# Altium PCB SENSEI_Sensor-Shield.PcbDoc (part 1 of 2) (continued)
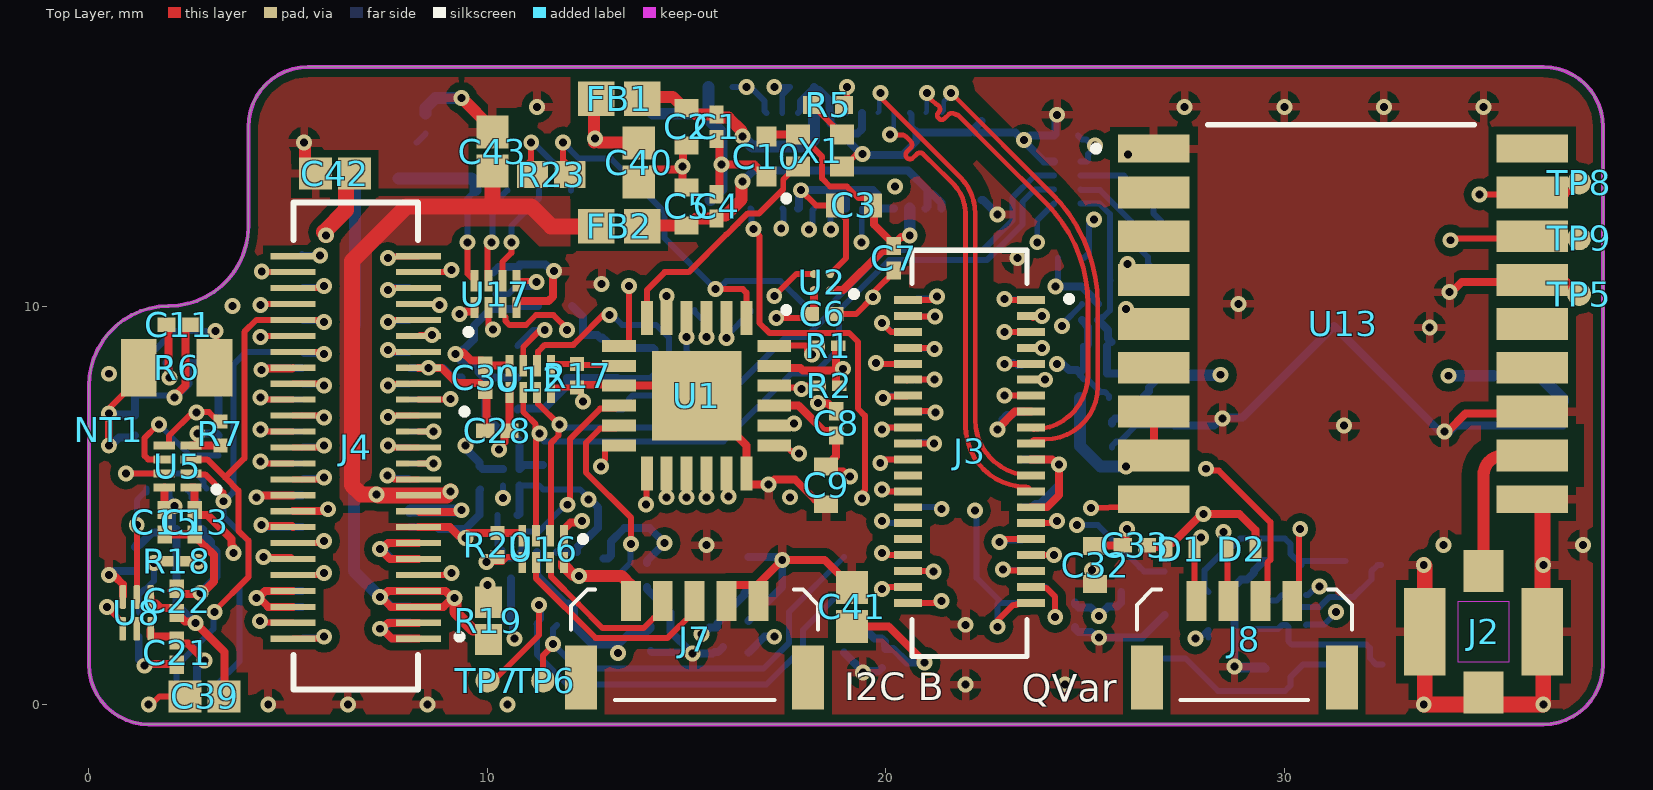
[diagram p0: Top Layer view]
## Components (designator, comment, footprint, x,y, rotation, side; value= is the part's Value field where it differs from the comment)
B1 "SGP41-D-R4" SON80P244X244X95-7N 12,8.2 r180 bottom locked
C1 "GRM033Z71C104KE14D" FP-GRM033-0_03-IPC_B#1 15.75,14.5 r270 top locked
C2 "GRM155R60G106ME47D" FP-GRM155-0_2-0_1-MFG 15,14.5 r270 top locked
C3 "GRM155R60G106ME47D" FP-GRM155-0_2-0_1-MFG 19.2,12.525 r180 top locked
C4 "GRM033Z71C104KE14D" FP-GRM033-0_03-IPC_B#1 15.75,12.5 r90 top locked
C5 "GRM155R60G106ME47D" FP-GRM155-0_2-0_1-MFG 15,12.5 r90 top locked
C6 "CL03A105KP3NSNC" FP-CL03-IPC_B#1 18.4,9.8 r0 top locked
C7 "GRM033Z71C104KE14D" FP-GRM033-0_03-IPC_B#1 20.2,11.2 r270 top locked
C8 "GRM033Z71C104KE14D" FP-GRM033-0_03-IPC_B#1 18.75,7.054 r90 top locked
C9 "GRM155R60G106ME47D" FP-GRM155-0_2-0_1-MFG 18.5,5.5 r270 top locked
C10 "CC0402KRX7R7BB103" FP-CC0402-MFG 17,13.75 r270 top locked value="10 nF"
C11 "GRM033Z71C104KE14D" FP-GRM033-0_03-IPC_B#1 2.25,9.525 r0 top locked
C12 "GRM033Z71C104KE14D" FP-GRM033-0_03-IPC_B#1 24.75,2.25 r270 bottom locked
C13 "GRM033Z71C104KE14D" FP-GRM033-0_03-IPC_B#1 2.65,4.575 r270 top locked
C14 "GRM033Z71C104KE14D" FP-GRM033-0_03-IPC_B#1 2.5,4.4 r0 bottom locked
C15 "GRM033Z71C104KE14D" FP-GRM033-0_03-IPC_B#1 1.9,4.575 r270 top locked
C16 "GRM033Z71C104KE14D" FP-GRM033-0_03-IPC_B#1 19.9,1.225 r270 bottom locked
C17 "GRM033Z71C104KE14D" FP-GRM033-0_03-IPC_B#1 15.85,1.75 r270 bottom locked
C18 "GRM033Z71C104KE14D" FP-GRM033-0_03-IPC_B#1 14,3.25 r270 bottom locked
C19 "GRM033Z71C104KE14D" FP-GRM033-0_03-IPC_B#1 14.1,1.65 r270 bottom locked
C20 "GRM033R71A103JA01D" FP-GRM033-0_03-IPC_A 29.25,2.25 r270 bottom locked
C21 "GRM033Z71C104KE14D" FP-GRM033-0_03-IPC_B#1 2.2,1.3 r270 top locked
C22 "GRM033Z71C104KE14D" FP-GRM033-0_03-IPC_B#1 2.2,2.6 r90 top locked
C23 "CL03A105KP3NSNC" FP-CL03-IPC_B#1 24.625,11.2 r0 bottom locked
C24 "CL03A105KP3NSNC" FP-CL03-IPC_B#1 9.8,5.725 r270 bottom locked
C25 "GRM033Z71C104KE14D" FP-GRM033-0_03-IPC_B#1 25.35,9 r180 bottom locked
C26 "GRM033Z71C104KE14D" FP-GRM033-0_03-IPC_B#2 11.4,5.7 r270 bottom locked
C27 "GRM033Z71C104KE14D" FP-GRM033-0_03-IPC_B#1 24.875,8 r90 bottom locked
C28 "GRM033Z71C104KE14D" FP-GRM033-0_03-IPC_B#2 10.25,6.875 r180 top locked
C29 "GRM033Z71C104KE14D" FP-GRM033-0_03-IPC_B#1 25.6,8 r270 bottom locked
C30 "GRM033Z71C104KE14D" FP-GRM033-0_03-IPC_B#1 9.95,8.2 r270 top locked
C31 "CL03A105KP3NSNC" FP-CL03-IPC_B#1 14.2,8.6 r270 bottom locked
C32 "GRM155R60G106ME47D" FP-GRM155-0_2-0_1-MFG 25.25,3.5 r270 top locked
C33 "GRM033Z71C104KE14D" FP-GRM033-0_03-IPC_B#1 26.25,4 r0 top locked
C34 "CL03A105KP3NSNC" FP-CL03-IPC_B#2 9.652,8.204 r180 bottom locked
C35 "GRM033Z71C104KE14D" FP-GRM033-0_03-IPC_B#1 1.15,3.65 r270 bottom locked
C36 "GRM033Z71C104KE14D" FP-GRM033-0_03-IPC_B#1 1.25,2 r270 bottom locked
C37 "GRM033Z71C104KE14D" FP-GRM033-0_03-IPC_B#2 25.675,6.75 r270 bottom locked
C38 "GRM033Z71C104KE14D" FP-GRM033-0_03-IPC_B#2 37,7.304 r270 bottom locked
C39 "GRM158R60J226ME01D" FP-GRM158-0_2-IPC_A 2.9,0.2 r180 top locked
C40 "GRM158R60J226ME01D" FP-GRM158-0_2-IPC_A 13.8,13.6 r270 top locked
C41 "GRM158R60J226ME01D" FP-GRM158-0_2-IPC_A 19.15,2.45 r90 top locked
C42 "GRM158R60J226ME01D" FP-GRM158-0_2-IPC_A 6.175,13.325 r180 top locked
C43 "GRM158R60J226ME01D" FP-GRM158-0_2-IPC_A 10.125,13.875 r90 top
D1 "TPD1E01B04DPYRQ1" TPD1E01B04DPYRQ1 27.4,3.9 r180 top locked
D2 "TPD1E01B04DPYRQ1" TPD1E01B04DPYRQ1 28.925,3.9 r0 top locked
FB1 "BLM18HE152SN1D" FP-BLM18-0_15-t0_8-IPC_C 13.309,15.201 r180 top locked
FB2 "BLM18HE152SN1D" FP-BLM18-0_15-t0_8-IPC_C 13.309,12.001 r180 top locked
J1 "Connector: AXE526124" AXE526124_HM0360 19,13.65 r0 bottom locked
J2 "CONMHF1-SMD-G-T" LINX_CONMHF1-SMD-G-T 35,1.825 r0 top locked
J3 "DF40HC(3.0)-40DS-0.4V(51)" DF40HC3040DS04V51 22.1,6.35 r270 top locked
J4 "DF40HC(3.0)-50DS-0.4V(51)" DF40HC3050DS04V51 6.7,6.45 r90 top locked
J5 "DF40C-40DP-0.4V(51)" FP-DF40C-40DP-0_4V_51-MFG 22.1,6.35 r270 bottom locked
J6 "DF40C-50DP-0.4V(51)" CONN_COMBI_50P 6.7,6.45 r0 bottom locked
J7 "DF52-5S-0.8H(21)" DF525S08H21 15.2,1.5 r0 top locked
J8 "DF52-4S-0.8H(21)" DF524S08H21 29,1.5 r0 top
J9 "DF52-5S-0.8H(21)" DF525S08H21 11.3,14 r0 bottom locked
NT1 "Net Tie" Net_Tie_Top_Bottom0_4mm_0_2mm 0.5,7 r270 top locked net-tie
R1 "RMCF0201FT10K0" FP-RMCF0201-IPC_C 18.55,9 r180 top locked
R2 "RMCF0201FT10K0" FP-RMCF0201-IPC_C 18.575,8 r180 top locked
R3 "1M 5% 0201(0603)" RESC0201(0603)_L 15.85,15.5 r0 bottom locked value=1M
R4 "1M 5% 0201(0603)" RESC0201(0603)_L 17.9,15.5 r180 bottom locked value=1M
R5 "ERJ-2RKF1000X" RESC1005X40X25LL05T05 18.55,15.05 r180 top locked
R6 "MCU0805MD3304BP500" RESC2012X62N 2.2,8.45 r0 top locked
R7 "1M 5% 0201(0603)" RESC0201(0603)_L 3.3,6.8 r90 top locked value=1M
R8 "RMCF0201FT10K0" FP-RMCF0201-IPC_C 10.504,4.75 r0 bottom locked
R9 "RMCF0402ZT0R00" FP-RMCF0402-IPC_A 32,3.6 r180 bottom locked
R10 "ERJ-1GNF4990C" RESC0603X26X15LL03T05 30.275,2.75 r180 bottom locked
R11 "ERJ-1GNF4990C" RESC0603X26X15LL03T05 30.275,2 r180 bottom locked
R12 "RMCF0402ZT0R00" FP-RMCF0402-IPC_A 32,0.9 r180 bottom locked
R13 "RMCF0402ZT0R00" FP-RMCF0402-IPC_A 30,3.6 r0 bottom locked
R14 "RMCF0402ZT0R00" FP-RMCF0402-IPC_A 30,0.9 r0 bottom locked
R15 "CRCW04024R70FKED" FP-CRCW0402-e3-MFG 11.8,10 r180 bottom locked
R16 "1M 5% 0201(0603)" RESC0201(0603)_L 24.525,14.275 r180 bottom locked value=1M
R17 "1M 5% 0201(0603)" RESC0201(0603)_L 12.25,8.25 r270 top locked value=1M
R18 "RMCF0201FT10K0" FP-RMCF0201-IPC_C 2.2,3.6 r0 top locked
R19 "RMCF0402ZT0R00" FP-RMCF0402-IPC_A 10.025,2.1 r90 top locked
R20 "ERJ-1GNJ105C" RESC0201(0603)_L 10.25,4 r90 top locked value=1M
R21 "RMCF0402ZT0R00" FP-RMCF0402-IPC_A 7.1,13.2 r0 bottom
R22 "ERJ-1GNJ105C" RESC0201(0603)_L 10.2,10.6 r90 bottom locked value=1M
R23 "RMCF0402ZT0R00" FP-RMCF0402-IPC_A 11.6,13.3 r0 top locked
TP1 "Test Pad" Pad-0.6mm 18,9.9 r90 bottom locked
TP2 "Test Pad" Pad-0.6mm 16.6,9.9 r90 bottom locked
TP3 "Test Pad" Pad-0.6mm 15.2,9.9 r90 bottom locked
TP4 "Test Pad" Pad-0.6mm 15.25,8.5 r90 bottom locked
TP5 "Test Pad" Pad-0.6mm 37.4,10.3 r90 top locked
TP6 "Test Pad" Pad-0.6mm 11.4,0.6 r90 top locked
TP7 "Test Pad" Pad-0.6mm 10,0.6 r90 top locked
TP8 "Test Pad" Pad-0.6mm 37.4,13.1 r90 top locked
TP9 "Test Pad" Pad-0.6mm 37.4,11.7 r90 top locked
U1 "PCA6416AHF,128" QFN50P400X400X80-25N-D 15.25,7.75 r270 top locked
U2 "TPS22916BYFPT" BGA4C40P2X2_77X77X50 18.4,10.6 r180 top locked
U3 "ILPS28QSW" LGA7_ILPS28_STM 27,2.25 r180 bottom locked
U4 "AS7331-AQFT" OLGA16 2.2,7 r270 bottom locked
U5 "TXS0102DQER" FP-DQE0008A-MFG 2.225,5.975 r180 top locked
U6 "BME688" IC_BME688 17.75,2.5 r0 bottom locked
U7 "ISM330DHCXTR" FP-LGA-14L-DM00249496-MFG 11.75,2.913 r0 bottom locked
U8 "SN74AUP1T34DSFR" FP-DSF0006A-MFG 1.2,2.3 r270 top locked
U9 "TPS22916BYFPT" BGA4C40P2X2_77X77X50 25.125,9.85 r90 bottom locked
U10 "TPS22916BYFPT" BGA4C40P2X2_77X77X50 10.6,5.7 r180 bottom locked
U11 "TXS0102DQER" FP-DQE0008A-MFG 24.55,13.1 r0 bottom locked
U12 "TXS0102DQER" FP-DQE0008A-MFG 11.075,8.165 r90 top locked
U13 "MAX-M10S-00B" XCVR_MAX-M8C-0-10 31.475,9.55 r0 top locked
U14 "BH1730FVC-TR" SON_30FVC-TR_ROM 2.7,2.125 r270 bottom locked
U15 "SCD41-D-R1" FP-SCD41-D-R1-MFG 31.25,9.5 r90 bottom locked
U16 "TXS0102DQER" FP-DQE0008A-MFG 11.4,3.9 r270 top locked
U17 "TXS0102DQER" FP-DQE0008A-MFG 10.2,10.3 r90 top locked
X1 "ASCODV-24.000MHz-LR-T3" ASCODV24000MHzLRT3 18.35,13.9 r0 top locked

## Footprints (in the part's own frame and the unit in brackets; to place one, negate y for a bottom-side part, rotate by r counter-clockwise, add the part's x,y. Pads: shape width x height; smd on the part's side, far side on the other; paste and mask are expansions set on the pad)
ASCODV24000MHzLRT3 [mm]
  rect 0.6x0.5 smd: 1(-0.55,-0.4) 2(0.55,-0.4) 3(0.55,0.4) 4(-0.55,0.4)
  silkscreen extent -0.9,-1.25 -0.8,-1.15, body extent -0.8,-0.6 0.8,0.6, height 0.9
AXE526124_HM0360 [mm]
  rect 0.23x0.5 smd: 1(-2.4,-1.2) 2(-2,-1.2) 3(-1.6,-1.2) 4(-1.2,-1.2) 5(-0.8,-1.2) 6(-0.4,-1.2) 7(0,-1.2) 8(0.4,-1.2) 9(0.8,-1.2) 10(1.2,-1.2) 11(1.6,-1.2) 12(2,-1.2) 13(2.4,-1.2) 14(2.4,1.2) 15(2,1.2) 16(1.6,1.2) 17(1.2,1.2) 18(0.8,1.2) 19(0.4,1.2) 20(0,1.2) 21(-0.4,1.2) 22(-0.8,1.2) 23(-1.2,1.2) 24(-1.6,1.2) 25(-2,1.2) 26(-2.4,1.2)
  rect 0.9x0.92 smd: 27(-3.4,0.99) 28(-3.4,-0.99) 29(3.4,0.99) 30(3.4,-0.99)
  silkscreen extent -2.4,-1.96 -2.25,-1.84, body extent -3.85,-1.43 3.85,1.43, height 1.07
BGA4C40P2X2_77X77X50 [mil]
  round 8 smd paste-5 mask+0.79: A1(-8,8) A2(8,8) B1(-8,-8) B2(8,-8)
  silkscreen extent -33,10 -30,14, body extent -15,-15 15,15, height 20
CONN_COMBI_50P [mm] "50Pin 0.4mm pitch connector footprint that accepts (male) connectors intended for different stacking heights:  Hirose - DF40C-50DP-0.4V(51) for 1.5mm - 3mm stacking height , JAE - WP7B-P050VA1-R8000 - for 0.7mm stacking height"
  rect 0.66x0.22 smd: 1(1.355,4.8) 2(1.355,4.4) 3(1.355,4) 4(1.355,3.6) 5(1.355,3.2) 6(1.355,2.8) 7(1.355,2.4) 8(1.355,2) 9(1.355,1.6) 10(1.355,1.2) 11(1.355,0.8) 12(1.355,0.4) 13(1.355,0) 14(1.355,-0.4) 15(1.355,-0.8) 16(1.355,-1.2) 17(1.355,-1.6) 18(1.355,-2) 19(1.355,-2.4) 20(1.355,-2.8) 21(1.355,-3.2) 22(1.355,-3.6) 23(1.355,-4) 24(1.355,-4.4) 25(1.355,-4.8) 26(-1.355,-4.8) 27(-1.355,-4.4) 28(-1.355,-4) 29(-1.355,-3.6) 30(-1.355,-3.2) 31(-1.355,-2.8) 32(-1.355,-2.4) 33(-1.355,-2) 34(-1.355,-1.6) 35(-1.355,-1.2) 36(-1.355,-0.8) 37(-1.355,-0.4) 38(-1.355,0) 39(-1.355,0.4) 40(-1.355,0.8) 41(-1.355,1.2) 42(-1.355,1.6) 43(-1.355,2) 44(-1.355,2.4) 45(-1.355,2.8) 46(-1.355,3.2) 47(-1.355,3.6) 48(-1.355,4) 49(-1.355,4.4) 50(-1.355,4.8)
  rect 0.65x0.35 smd: 56(-1.375,-5.275) 56(-1.375,5.275) 56(1.325,-5.275) 56(1.325,5.275)
  body extent -1.49,-5.74 1.48,5.78, height 1.14
DF40HC3040DS04V51 [mm]
  rect 0.2x0.7 smd: 1(-3.8,1.54) 2(-3.8,-1.54) 3(-3.4,1.54) 4(-3.4,-1.54) 5(-3,1.54) 6(-3,-1.54) 7(-2.6,1.54) 8(-2.6,-1.54) 9(-2.2,1.54) 10(-2.2,-1.54) 11(-1.8,1.54) 12(-1.8,-1.54) 13(-1.4,1.54) 14(-1.4,-1.54) 15(-1,1.54) 16(-1,-1.54) 17(-0.6,1.54) 18(-0.6,-1.54) 19(-0.2,1.54) 20(-0.2,-1.54) 21(0.2,1.54) 22(0.2,-1.54) 23(0.6,1.54) 24(0.6,-1.54) 25(1,1.54) 26(1,-1.54) 27(1.4,1.54) 28(1.4,-1.54) 29(1.8,1.54) 30(1.8,-1.54) 31(2.2,1.54) 32(2.2,-1.54) 33(2.6,1.54) 34(2.6,-1.54) 35(3,1.54) 36(3,-1.54) 37(3.4,1.54) 38(3.4,-1.54) 39(3.8,1.54) 40(3.8,-1.54)
  silkscreen extent -5.05,-1.44 5.15,2.55, body extent -5.3,-1.69 5.3,1.69, height 2.89
DF40HC3050DS04V51 [mil]
  rect 6x44.56 smd paste+0 mask+0: 1(-188.98,-62) 2(-173.23,-62) 3(-157.48,-62) 4(-141.73,-62) 5(-125.98,-62) 6(-110.24,-62) 7(-94.49,-62) 8(-78.74,-62) 9(-62.99,-62) 10(-47.24,-62) 11(-31.5,-62) 12(-15.75,-62) 13(0,-62) 14(15.75,-62) 15(31.5,-62) 16(47.24,-62) 17(62.99,-62) 18(78.74,-62) 19(94.49,-62) 20(110.24,-62) 21(125.98,-62) 22(141.73,-62) 23(157.48,-62) 24(173.23,-62) 25(188.98,-62) 26(188.98,62) 27(173.23,62) 28(157.48,62) 29(141.73,62) 30(125.98,62) 31(110.24,62) 32(94.49,62) 33(78.74,62) 34(62.99,62) 35(47.24,62) 36(31.5,62) 37(15.75,62) 38(0,62) 39(-15.75,62) 40(-31.5,62) 41(-47.24,62) 42(-62.99,62) 43(-78.74,62) 44(-94.49,62) 45(-110.24,62) 46(-125.98,62) 47(-141.73,62) 48(-157.48,62) 49(-173.23,62) 50(-188.98,62)
  silkscreen extent -239,-104 242,62, body extent -248,-67 248,67, height 114
DF524S08H21 [mm]
  rect 0.5x1 smd: 1(-1.2,1.095) 2(-0.4,1.095) 3(0.4,1.095) 4(1.2,1.095)
  rect 0.8x1.6 smd: MP1(-2.45,-0.825) MP2(2.45,-0.825)
  silkscreen extent -2.7,-1.39 2.7,1.39, body extent -2.7,-1.39 2.7,1.38, height 1.75
DF525S08H21 [mm]
  rect 0.5x1 smd: 1(-1.6,1.095) 2(-0.8,1.095) 3(0,1.095) 4(0.8,1.095) 5(1.6,1.095)
  rect 0.8x1.6 smd: MP1(-2.85,-0.825) MP2(2.85,-0.825)
  silkscreen extent -3.1,-1.39 3.1,1.39, body extent -3.1,-1.4 3.1,1.37, height 1.71
FP-BLM18-0_15-t0_8-IPC_C [mm]
  rect 0.906x0.858 smd paste+0 mask+0: 1(-0.576,0) 2(0.576,0)
  body extent -0.8,-0.4 0.8,0.4, height 0.95
FP-CC0402-MFG [mm]
  rect 0.5x0.5 smd paste+0 mask+0: 1(-0.5,0) 2(0.5,0)
  body extent -0.5,-0.25 0.5,0.25, height 0.55
FP-CL03-IPC_B#1 [mm]
  rect 0.454x0.363 smd paste+0 mask+0: 1(-0.304,0) 2(0.304,0)
  body extent -0.3,-0.15 0.3,0.15, height 0.33
FP-CL03-IPC_B#2 [mm]
  rect 0.454x0.363 smd: 1(-0.304,0) 2(0.304,0)
  body extent -0.3,-0.15 0.3,0.15, height 0.33
FP-CRCW0402-e3-MFG [mm]
  rect 0.6x0.6 smd paste+0 mask+0: 1(-0.525,0) 2(0.525,0)
  body extent -0.5,-0.25 0.5,0.25, height 0.4
FP-DF40C-40DP-0_4V_51-MFG [mm]
  rect 0.23x0.66 smd paste-1000 mask+0: 1(-3.8,-1.355) 2(-3.8,1.355) 3(-3.4,-1.355) 4(-3.4,1.355) 5(-3,-1.355) 6(-3,1.355) 7(-2.6,-1.355) 8(-2.6,1.355) 9(-2.2,-1.355) 10(-2.2,1.355) 11(-1.8,-1.355) 12(-1.8,1.355) 13(-1.4,-1.355) 14(-1.4,1.355) 15(-1,-1.355) 16(-1,1.355) 17(-0.6,-1.355) 18(-0.6,1.355) 19(-0.2,-1.355) 20(-0.2,1.355) 21(0.2,-1.355) 22(0.2,1.355) 23(0.6,-1.355) 24(0.6,1.355) 25(1,-1.355) 26(1,1.355) 27(1.4,-1.355) 28(1.4,1.355) 29(1.8,-1.355) 30(1.8,1.355) 31(2.2,-1.355) 32(2.2,1.355) 33(2.6,-1.355) 34(2.6,1.355) 35(3,-1.355) 36(3,1.355) 37(3.4,-1.355) 38(3.4,1.355) 39(3.8,-1.355) 40(3.8,1.355)
  rect 0.35x0.66 smd paste+0 mask+0: 41(-4.275,1.355) 42(4.275,1.355) 43(-4.275,-1.355) 44(4.275,-1.355)
  silkscreen extent -4.86,-2.15 4.86,1.02, body extent -4.76,-1.49 4.76,1.48, height 1.29
FP-DQE0008A-MFG [mm]
  rect 0.53x0.2 smd paste-1000 mask+0: 1(-0.335,0.525) 2(-0.335,0.175) 3(-0.335,-0.175) 4(-0.335,-0.525) 5(0.335,-0.525) 6(0.335,-0.175) 7(0.335,0.175) 8(0.335,0.525)
  silkscreen extent -1.03,0.53 -0.93,0.62, body extent -0.52,-0.7 0.5,0.7, height 0.4
FP-DSF0006A-MFG [mm]
  rrect59% 0.6x0.17 smd paste+0 mask+0: 1(-0.4,0.35) 2(-0.4,0) 3(-0.4,-0.35) 4(0.4,-0.35) 5(0.4,0) 6(0.4,0.35)
  body extent -0.8,-0.63 0.8,0.63, height 0.25
FP-GRM033-0_03-IPC_A [mm]
  rect 0.554x0.463 smd paste+0 mask+0: 1(-0.354,0) 2(0.354,0)
  body extent -0.3,-0.15 0.3,0.15, height 0.33
FP-GRM033-0_03-IPC_B#1 [mm]
  rect 0.454x0.363 smd paste+0 mask+0: 1(-0.304,0) 2(0.304,0)
  body extent -0.3,-0.15 0.3,0.15, height 0.33
FP-GRM033-0_03-IPC_B#2 [mm]
  rect 0.454x0.363 smd: 1(-0.304,0) 2(0.304,0)
  body extent -0.3,-0.15 0.3,0.15, height 0.33
FP-GRM155-0_2-0_1-MFG [mm]
  rect 0.45x0.6 smd paste+0 mask+0: 1(-0.475,0) 2(0.475,0)
  body extent -0.5,-0.25 0.5,0.25, height 0.5
FP-GRM158-0_2-IPC_A [mm]
  rect 0.828x0.806 smd paste+0 mask+0: 1(-0.489,0) 2(0.489,0)
  body extent -0.5,-0.25 0.5,0.25, height 0.8
FP-LGA-14L-DM00249496-MFG [mm]
  rect 0.575x0.35 smd paste-1000 mask+0: 1(-1.162,0.75) 2(-1.162,0.25) 3(-1.162,-0.25) 4(-1.162,-0.75) 8(1.162,-0.75) 9(1.162,-0.25) 10(1.162,0.25) 11(1.162,0.75)
  rect 0.35x0.575 smd paste-1000 mask+0: 5(-0.5,-0.913) 6(0,-0.913) 7(0.5,-0.913) 12(0.5,0.913) 13(0,0.913) 14(-0.5,0.913)
  silkscreen extent -1.35,1.56 -1.25,1.66, body extent -1.5,-1.25 1.5,1.25, height 0.86
FP-RMCF0201-IPC_C [mm]
  rect 0.354x0.263 smd paste+0 mask+0: 1(-0.254,0) 2(0.254,0)
  body extent -0.3,-0.15 0.3,0.15, height 0.26
FP-RMCF0402-IPC_A [mm]
  rect 0.781x0.672 smd paste+0 mask+0: 1(-0.466,0) 2(0.466,0)
  body extent -0.5,-0.25 0.5,0.25, height 0.4
FP-SCD41-D-R1-MFG [mm]
  rect 1.5x0.8 smd paste-1000 mask+0: 1(-4,2.5) 2(-4,1.25) 3(-4,0) 4(-4,-1.25) 5(-4,-2.5) 11(4,-2.5) 12(4,-1.25) 13(4,0) 14(4,1.25) 15(4,2.5)
  rect 0.8x1.5 smd paste-1000 mask+0: 6(-2.5,-4) 7(-1.25,-4) 8(0,-4) 9(1.25,-4) 10(2.5,-4) 16(2.5,4) 17(1.25,4) 18(0,4) 19(-1.25,4) 20(-2.5,4)
  rect 4.8x4.8 smd paste-1000 mask+0: 21(0,0)
  silkscreen extent -5.1,-5.05 5.1,5.83, body extent -5.05,-5.05 5.05,5.05, height 6.8
IC_BME688 [mm]
  rect 0.4x0.4 smd: 1(1.2,1.2) 2(1.2,0.4) 3(1.2,-0.4) 4(1.2,-1.2) 5(-1.2,-1.2) 6(-1.2,-0.4) 7(-1.2,0.4) 8(-1.2,1.2)
  silkscreen extent -1.5,-1.72 1.7,2.15, body extent -1.5,-1.5 1.5,1.5, height 1
LGA7_ILPS28_STM [mil]
  rect 57x16 smd paste+0 mask+0: 1(0,43) 4(0,-43)
  rect 16x37 smd paste+0 mask+0: 2(-43,22.64) 3(-43,-22.64) 5(43,-22.64) 6(43,22.64)
  rect 37x37 smd paste-18 mask+0: 7(0,0)
  body extent -55,-55 55,55, height 83
LINX_CONMHF1-SMD-G-T [mm]
  rect 1x1.05 smd: 1(0,1.525) S2(0,-1.525)
  rect 1.05x2.2 smd: S1(-1.475,0) S3(1.475,0)
  Keep-Out Layer region: 0.635,-0.762 -0.635,-0.762 -0.635,0.762 0.635,0.762
  body extent -1.5,-1.55 1.5,1.55, height 1.31
Net_Tie_Top_Bottom0_4mm_0_2mm [mm]
  round 0.4 hole 0.2 mask+0: 1(-0.3,0) 2(0.5,0)
  Multi-Layer region: -0.2,-0.1 0.35,-0.1 0.35,0.1 -0.2,0.1
OLGA16 [mm]
  rect 0.3x0.3 smd paste+0 mask+0: 1(-1.575,-0.75) 2(-1.575,-0.25) 3(-1.575,0.25) 4(-1.575,0.75) 5(-0.75,1.05) 6(-0.25,1.05) 7(0.25,1.05) 8(0.75,1.05) 9(1.575,0.75) 10(1.575,0.25) 11(1.575,-0.25) 12(1.575,-0.75) 13(0.75,-1.05) 14(0.25,-1.05) 15(-0.25,-1.05) 16(-0.75,-1.05)
  silkscreen extent -2.25,-1.48 2,1.48, body extent -1.82,-1.3 1.83,1.3, height 1.19
Pad-0.6mm [mm] "SMT Test Pad"
  round 0.6 smd paste-5: 1(0,0)
QFN50P400X400X80-25N-D [mm]
  rect 0.85x0.3 smd: 1(-1.95,1.25) 2(-1.95,0.75) 3(-1.95,0.25) 4(-1.95,-0.25) 5(-1.95,-0.75) 6(-1.95,-1.25) 13(1.95,-1.25) 14(1.95,-0.75) 15(1.95,-0.25) 16(1.95,0.25) 17(1.95,0.75) 18(1.95,1.25)
  rect 0.3x0.85 smd: 7(-1.25,-1.95) 8(-0.75,-1.95) 9(-0.25,-1.95) 10(0.25,-1.95) 11(0.75,-1.95) 12(1.25,-1.95) 19(1.25,1.95) 20(0.75,1.95) 21(0.25,1.95) 22(-0.25,1.95) 23(-0.75,1.95) 24(-1.25,1.95)
  rect 2.25x2.25 smd: 25(0,0)
  silkscreen extent -2.2,2.2 -2.1,2.3, body extent -2.05,-2.05 2.05,2.05, height 0.8
RESC0201(0603)_L [mm] "Chip Resistor, Body 0.6x0.3mm, IPC High Density"
  rect 0.35x0.35 smd: 1(-0.3,0) 2(0.3,0)
  body extent -0.31,-0.16 0.31,0.16, height 0.3
RESC0603X26X15LL03T05 [mm] "Chip Resistor, 2-Leads, Body 0.60x0.30mm, IPC High Density"
  rect 0.35x0.25 smd: 1(-0.275,0) 2(0.275,0)
  body extent -0.32,-0.16 0.31,0.17, height 0.26
RESC1005X40X25LL05T05 [mm] "Chip Resistor, 2-Leads, Body 1.05x0.55mm, IPC High Density"
  rect 0.45x0.45 smd: 1(-0.4,0) 2(0.4,0)
  body extent -0.52,-0.27 0.53,0.28, height 0.4
RESC2012X62N [mm]
  rect 0.9x1.45 smd: 1(-0.95,0) 2(0.95,0)
  body extent -1,-0.62 1,0.63, height 0.62
SON80P244X244X95-7N [mm]
  rect 0.75x0.45 smd: 1(-1.25,0.8) 2(-1.25,0) 3(-1.25,-0.8) 4(1.25,-0.8) 5(1.25,0) 6(1.25,0.8)
  rect 1.35x1.74 smd: 7(0,0)
  silkscreen extent -1.68,1.48 -1.58,1.57, body extent -1.27,-1.22 1.27,1.22, height 0.95
SON_30FVC-TR_ROM [mil]
  rect 20x9 smd paste+0 mask+0: 1(-63,19.69) 2(-63,0) 3(-63,-19.69) 4(63,-19.69) 5(63,0) 6(63,19.69)
  body extent -61,-34 61,34, height 30
TPD1E01B04DPYRQ1 [mm]
  rect 0.3x0.5 smd: 1(-0.35,0) 2(0.35,0)
  body extent -0.5,-0.3 0.5,0.3, height 0.55
XCVR_MAX-M8C-0-10 [mm]
  rect 1.8x0.7 smd paste-2 mask+0: 1(-4.75,4.4) 9(-4.75,-4.4) 10(4.75,-4.4) 18(4.75,4.4)
  rect 1.8x0.8 smd paste-2 mask+0: 2(-4.75,3.3) 3(-4.75,2.2) 4(-4.75,1.1) 5(-4.75,0) 6(-4.75,-1.1) 7(-4.75,-2.2) 8(-4.75,-3.3) 11(4.75,-3.3) 12(4.75,-2.2) 13(4.75,-1.1) 14(4.75,0) 15(4.75,1.1) 16(4.75,2.2) 17(4.75,3.3)
  silkscreen extent -6.25,4.35 3.3,5, body extent -4.85,-5.05 4.85,5.05, height 2.7

## Part data
B1: "Air Quality Sensors VOC and NOx (MOX) Gas Pollutant Sensor", Manufacturer_Name=Sensirion, Mouser Part Number=403-SGP41-D-R4, Datasheet Link=https://www.sensirion.com/fileadmin/user_upload/customers/sensirion/Dokumente/9_Gas_Sensors/Datasheets/Sensirion_Gas_Sensors_Datasheet_SGP41.pdf, Geometry.Height=0.95mm, Manufacturer_Part_Number=SGP41-D-R4, Mouser Price/Stock=https://www.mouser.co.uk/ProductDetail/Sensirion/SGP41-D-R4?qs=A6eO%252BMLsxmRqwfOE5NYPVA%3D%3D
C1 C4 C7 C8 C11 C12 C13 C14 C15 C16 C17 C18 C19 C21 C22 C25 C26 C27 C28 C29 C30 C33 C35 C36 C37 C38: library part CMP-06035-035508-1, "Chip Multilayer Ceramic Capacitors for General Purpose, 0201, 0.10uF, X7R, 15%, 10%, 16V", Capacitance=0.1uF, Case/Package=0201, Tolerance=15%
C2 C3 C5 C9 C32: library part CMP-06035-039936-1, "Chip Multilayer Ceramic Capacitors for General Purpose, 0402, 10uF, X5R, 15%, 20%, 4V", Capacitance=10uF, Case Code (Imperial)=0402, Case Code (Metric)=1005, Dielectric=X5R, Max Operating Temperature=85°C, Min Operating Temperature=-55°C, Tolerance=20%, Voltage Rating=4V, Case/Package=0402, Length=0.039inch, Mount="Surface Mount", Packaging="Tape and Reel", Thickness=0.024inch, Voltage Rating (DC)=4V, Width=0.02inch
C6 C23 C24 C31 C34: library part CMP-13271-003594-1, "Cap Ceramic 1uF 10V X5R ±10% Pad SMD 0201 +85°C T/R", Capacitance=1uF, Case Code (Imperial)=0201, Case Code (Metric)=0603, Max Operating Temperature=85°C, Min Operating Temperature=-55°C, Tolerance=10%, Voltage Rating=10V, Case/Package=0201, Length=0.024inch, Mount="Surface Mount", Packaging="Cut Tape", Thickness=0.013inch, Width=0.012inch
C10: library part CMP-03422-000501-1, "CAP CER 10000PF 16V X7R 0402", Capacitance="10 nF", Manufacturer=YAGEO, Package=CC0402, Temperature="-55°C to +125°C", Temperature Characteristic=X7R, Temperature Coefficient=30ppm/°C, Temperature Range High=+125°C, Temperature Range Low=-55°C, Tolerance=0.1, Voltage Rating="16 V", Automotive=No, Automotive Grade=NA, Category=Cap, ComponentLink2Description=Datasheet, ComponentLink2URL=http://www.yageo.com/documents/recent/UPY-GP_NP0_16V-to-50V_16.pdf, Device Class L1="Passive Components", Device Class L2=Capacitors, Device Class L3="Ceramic Capacitors", Digikey Description="CAP CER 10000PF 16V X7R 0402", Footprint Url=http://www.yageo.com/exep/pages/download/literatures/UPY-C_GEN_24.pdf, Height=0.55mm, Ipc Land Pattern Name=CAPC10050X50, Lead Free=Yes, Manufacturer Part Number=CC0402KRX7R7BB103, Material=Ceramic, Mouser Description="0402 10 nF 16 V ±10 % Tolerance X7R SMT Multilayer Ceramic Capacitor", Octopart=https://octopart.com/cc0402krx7r7bb103-yageo-192895, RoHS=TRUE
C20: library part CMP-06035-055566-1, "Chip Multilayer Ceramic Capacitors for General Purpose, 0201, 10000pF, X7R, 15%, 5%, 10V", Capacitance=10nF, Dielectric=X7R, Tolerance=5%, Voltage Rating (DC)=10V, Length=600um, Thickness=300um, Width=300um
C39 C40 C41 C42 C43: library part CMP-06035-062950-1, "CAP CER 22UF 6.3V X5R 0402", Capacitance=22uF, Manufacturer=Murata, Supplier Part Number 1=81-GRM158R60J226ME1D, Tolerance=20%, Category="Ceramic Capacitors", Manufacturer Part Number=GRM158R60J226ME01D, Pricing 1="1=0.4, 10=0.2, 50=0.2, 100=0.129, 1000=0.107, 10000=0.089 (USD)", RoHS=Yes, Stock 1=319406, Supplier 1=Mouser
D1 D2: "TVS Diode (Bi-directional)", Manufacturer_Name="Texas Instruments", Mouser Part Number=595-TPD1E01B04DPYRQ1, Arrow Part Number=TPD1E01B04DPYRQ1, Arrow Price/Stock=https://www.arrow.com/en/products/tpd1e01b04dpyrq1/texas-instruments?region=nac, Datasheet Link=https://www.ti.com/lit/ds/symlink/tpd1e01b04-q1.pdf?ts=1677834076075&ref_url=https%253A%252F%252Fwww.ti.com%252Fproduct%252FTPD1E01B04-Q1%252Fpart-details%252FTPD1E01B04DPYRQ1, Height=0.45mm, Manufacturer_Part_Number=TPD1E01B04DPYRQ1, Mouser Price/Stock=https://www.mouser.co.uk/ProductDetail/Texas-Instruments/TPD1E01B04DPYRQ1?qs=doiCPypUmgEwTnvBpZhkOw%3D%3D
FB1 FB2: library part CMP-0686-00368-3, "Chip Ferrite Bead, 0603, 1500Ω @ 100MHz, 0.5Ω, 25%, 500mA", Case Code (Imperial)=0603, Case Code (Metric)=1608, Current Rating=500mA, DC Resistance (DCR)=500mR, Max Operating Temperature=125°C, Min Operating Temperature=-55°C, Package Quantity=1, Test Frequency=100MHz, Tolerance=25%, Case/Package=0603, Core Material=Ferrite, DC Current=500mA, Depth=0.8mm, Height=0.8mm, Impedance=1.5kR, Lead Free="Lead Free", Length=1.6mm, Material=Ferrite, Max Current Rating=500mA, Max DC Current=500mA, Military Standard=Not, Number of Circuits=1, Number of Lines=1, Number of Pins=2, Packaging="Tape and Reel", Radiation Hardening=No, REACH SVHC="No SVHC", Termination=SMD/SMT, Width=0.8mm
J1: library part HM0360, "FFC/FPC Connector, 26 Contact(s), 2 Row(s), Female, Straight, Surface Mount Terminal, Socket", Flammability Rating="UL94 V-0", Manufacturer=Panasonic, Manufacturer Part Number=AXE526124, Body/Shell Style=SOCKET, Camera=HM0360, Category=Connectors, Connector Type="CARD EDGE CONNECTOR", Contact Finish - Mating="GOLD OVER NICKEL", Contact Finish - Termination="Gold (Au) - with Nickel (Ni) barrier", Contact Gender=Female, Contact Material="Copper Alloy", DIN Conformance=No, Filter Feature=No, IEC Conformance=No, JESD-609 Code=e4, Mating Information="MULTIPLE MATING PARTS AVAILABLE", MIL Conformance=No, Mixed Contacts=No, Mount=Board, Mounting Style=STRAIGHT, Number of Contacts=26, Number of Rows Loaded=2, Option="General Purpose", Reach SVHC Compliant=Yes, RoHS=Yes, RoHS Compliant=Yes, Terminal Pitch=0.4mm, Termination=SMD/SMT